# Altium PCB TCM.PcbDoc (part 3 of 10)
Units mm, origin at the board's own origin, x right, y up, seen from the top; angles counter-clockwise.
Board outline 280.25 x 366.95 mm, 6 copper layers (Top, L2, L3, L4, L5, Bot), stack 1.536 mm thick; 503 components, 762 nets, 3201 pads, 1645 vias.
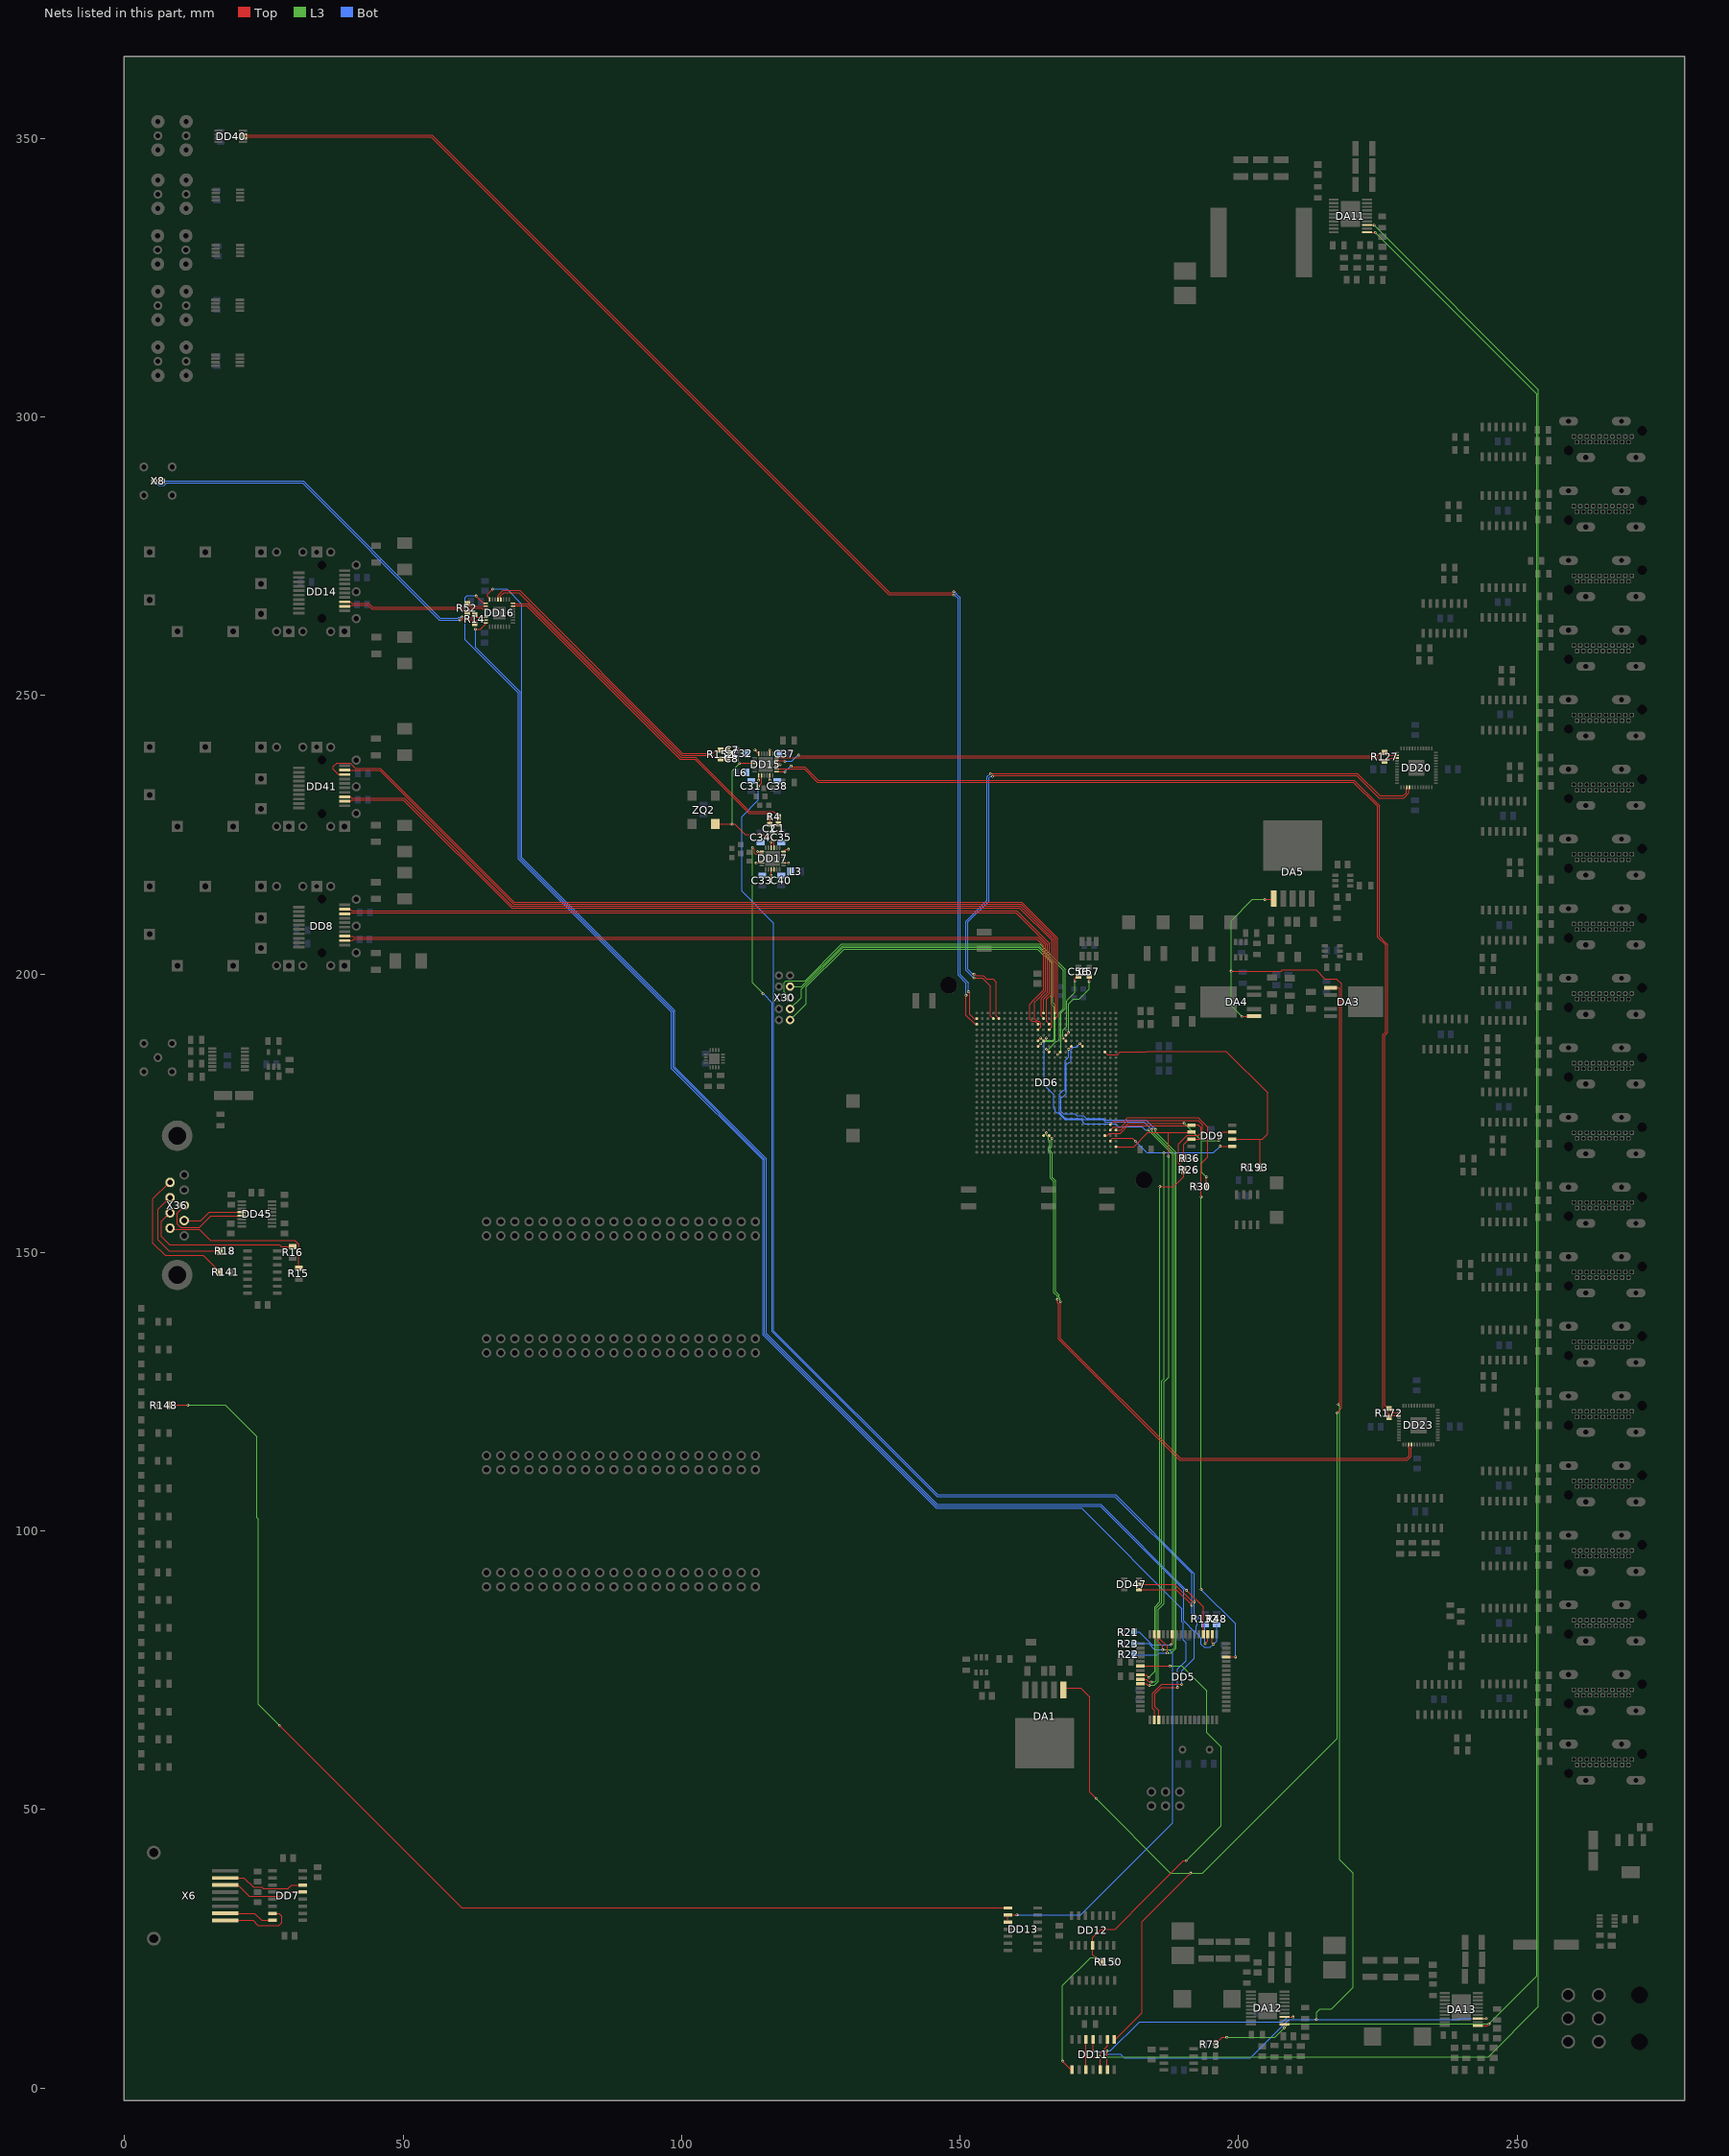
[diagram p7: the nets of this part, all layers, seen from the top]

## Part data (continued)
R140: library part R0805_11K_1%_0.125W_100PPM, "Resistor - 1%", Case=0805, Manufacturer=GENERIC, Manufacturer1 ComponentHeight=0.6mm, Manufacturer1 Example="NIC COMPONENT", Manufacturer1 Part Number=NRC10F1102TRF, Power=0.125W, Tolerance=±1%, Author="CERN DEM JLC", Component Type=Standard, CreateDate=03.12.2007, HelpURL=\\cern.ch\dfs\Applications\Altium\Datasheets\R0805_NIC_NRC.pdf, LatestRevisionDate=13.03.2008, Manufacturer Part Number=R0805_11K_1%_0.125W_100PPM, Mounted=Yes, Part Description="General Purpose Thick Film Chip Resistor", Part Number=R0805_11K_1%_0.125W_100PPM, Pin Count=2, PressFit=No, Sense=No, SMD=Yes, Socket=No, Status=Preferred, TC=±100ppm/°C
VD1 VD3 VD6 VD10 VD11 VD14 VD15 VD16 VD17: library part LED_KINGBRIGHT_KP-2012LSGC, "LED Green 1C 2A", Case=0805, Manufacturer=KINGBRIGHT, Manufacturer Part Number=KP-2012LSGC, Author="CERN DEM BC", Bonding=No, Color=Green, Component Type=Standard, ComponentHeight=1.1mm, CreateDate=09.11.2020, HelpURL=\\cern.ch\dfs\Applications\Altium\Datasheets\LED_KINGBRIGHT_KP-2012LSGC.pdf, LatestRevisionDate=09.11.2020, Mounted=Yes, PackageDescription="2.0x1.2mm Surface Mount Green LED", Part Description="2.0x1.2mm Surface Mount Green LED", Part Number=LED_KINGBRIGHT_KP-2012LSGC, Pin Count=2, PressFit=No, Sense=No, SMD=Yes, Socket=No
VD2 VD5 VD9: library part LED_KINGBRIGHT_KPT-2012YC, "LED Yellow 1C 2A", Case=0805, Manufacturer=KINGBRIGHT, Manufacturer Part Number=KPT-2012YC, Author="CERN DEM JMW", Bonding=No, Color=Yellow, Component Type=Standard, ComponentHeight=0.75mm, CreateDate=24.08.2021, HelpURL=\\cern.ch\dfs\Applications\Altium\Datasheets\LED_KINGBRIGHT_KPT-2012YC.pdf, LatestRevisionDate=24.08.2021, Mounted=Yes, PackageDescription="SMT Yellow LED, Case 2012, Body L 2.00mm X  W 1.25mm X H 0.75mm", Part Description="2.0X1.25mm, SMD Yellow Chip LED Lamp, KPT-2012 Series", Part Number=LED_KINGBRIGHT_KPT-2012YC, Pin Count=2, PressFit=No, Sense=No, SMD=Yes, Socket=No
VD4 VD7 VD8 VD13: library part LED_KINGBRIGHT_KPT-2012SURCK, "LED Red 1C 2A", Case=0805, Manufacturer=KINGBRIGHT, Manufacturer Part Number=KPT-2012SURCK, Author="CERN DEM BC", Bonding=No, Color=Red, Component Type=Standard, ComponentHeight=0.75mm, CreateDate=06.11.2020, HelpURL=\\cern.ch\dfs\Applications\Altium\Datasheets\LED_KINGBRIGHT_KPT-2012SURCK.pdf, LatestRevisionDate=06.11.2020, Mounted=Yes, PackageDescription="SMT Hyper Red LED, Case 2012, Body L 2.00mm X  W 1.25mm X H 0.75mm", Part Description="2.0X1.25mm, SMD Hyper Red Chip LED Lamp, KPT-2012 Series", Part Number=LED_KINGBRIGHT_KPT-2012SURCK, Pin Count=2, PressFit=No, Sense=No, SMD=Yes, Socket=No
VD12: library part LED_KINGBRIGHT_KPT-2012VBC-D, "LED Blue 1C 2A", Case=0805, Manufacturer=KINGBRIGHT, Manufacturer Part Number=KPT-2012VBC-D, Author="CERN DEM BC", Bonding=No, Color=Blue, Component Type=Standard, ComponentHeight=0.75mm, CreateDate=27.01.2021, HelpURL=\\cern.ch\dfs\Applications\Altium\Datasheets\LED_KINGBRIGHT_KPT-2012VBC-D.pdf, LatestRevisionDate=27.01.2021, Mounted=Yes, PackageDescription="SMT Blue LED, Case 2012, Body L 2.00mm X  W 1.25mm X H 0.75mm", Part Description="2.0X1.25mm, SMD Blue Chip LED Lamp, KPT-2012 Series", Part Number=LED_KINGBRIGHT_KPT-2012VBC-D, Pin Count=2, PressFit=No, Sense=No, SMD=Yes, Socket=No
X1 X2 X3 X4 X5: library part LEMO_EPY.00.250.NTN, "Dual Female Coax 1-2 Common Shield 3", Manufacturer=LEMO, Manufacturer Part Number=EPY.00.250.NTN, Author="CERN DEM JMW", Component Type=Standard, ComponentHeight=14.8mm, CreateDate=10.12.2008, Family="LEMO 00", HelpURL=\\cern.ch\dfs\Applications\Altium\Datasheets\LEMO_EPY.00.250.NTN.pdf, LatestRevisionDate=11.08.2009, Mounted=Yes, Part Description="Size 00, Dual 50 Ohms Coaxial Elbow Sockets (90°)", Part Number=LEMO_EPY.00.250.NTN, Pin Count=4, PressFit=No, SCEM=09.46.11.186.0, Sense=No, SMD=No, Socket=No, Status=None
X6: library part AMPHENOL_RJLSE4238101, "Connector RJ45 + Shield", Manufacturer=AMPHENOL, Manufacturer Part Number=RJLSE4238101, Author="CERN DEM HF", Component Type=Standard, ComponentHeight=11.85mm, CreateDate=07.06.2024, Family=RJ45, HelpURL=\\cern.ch\dfs\Applications\Altium\Datasheets\AMPHENOL_RJLSE4238101.pdf, LatestRevisionDate=07.06.2024, Mounted=Yes, Part Description="1 Port RJ45 Connector, 8P8C ,  Right Angle Without Leds", Part Number=AMPHENOL_RJLSE4238101, Pin Count=9, PressFit=No, Sense=No, SMD=No, Socket=No, Status=None
X7 X9 X16 X17 X18 X19 X20 X21 X22 x23 X24 X25 X26 x27 X28 X29 X31 X32 X33 X34: library part TYCO_2007435-1, "Connector HDMI 19 Male + 1 Shield", Manufacturer="TYCO ELECTRONICS", Manufacturer Part Number=2007435-1, Author="CERN DEM MR", Component Type=Standard, ComponentHeight=16.4mm, CreateDate=05.07.2016, Family=HDMI, HelpURL=\\cern.ch\dfs\Applications\Altium\Datasheets\TYCO_2007435-1.pdf, LatestRevisionDate=05.07.2016, Mounted=Yes, Part Description="0.578mm Pitch, Through-Hole Right Angle 19 Contacts Flag-HDMI Type-A Receptacle Thru Hole Mounting Pads", Part Number=TYCO_2007435-1, Pin Count=23, PressFit=No, Sense=No, SMD=No, Socket=No, Status=None
X8: library part LEMO_EPG.00.302.NLN, Manufacturer=LEMO, Manufacturer Part Number=EPG.00.302.NLN, Author="CERN DEM JLC", Component Type=Standard, ComponentHeight=7mm, CreateDate=25.08.2010, Family="LEMO 00", HelpURL=\\cern.ch\dfs\Applications\Altium\Datasheets\LEMO_EPG.00.302.NLN.pdf, LatestRevisionDate=20.12.2010, Mounted=Yes, Part Description="Size 00, Elbow Socket (90°) with 2 Female Contacts and Alignment Key (G)", Part Number=LEMO_EPG.00.302.NLN, Pin Count=3, PressFit=No, SCEM=09.31.28.007.2, Sense=No, SMD=No, Socket=No, Status=None
X10: library part CONNFLY_DS1013-06SSIB1-B-0, "Connector 6 Male", Manufacturer=CONNFLY, Manufacturer Part Number=DS1013-06SSIB1-B-0, Author="CERN DEM HF", Component Type=Standard, ComponentHeight=9.1mm, CreateDate=30.05.2024, HelpURL=\\cern.ch\dfs\Applications\Altium\Datasheets\CONNFLY_DS1013.pdf, LatestRevisionDate=30.05.2024, Mounted=Yes, Part Description="6 Contacts, 2.54mm Box Header V/T,R/A & SMT Type", Part Number=CONNFLY_DS1013-06SSIB1-B-0, Pin Count=6, PressFit=No, Sense=No, SMD=No, Socket=No, Status=None
X11 X12 X13 X14: library part CONNFLY_DS1013-40SSIB1-B-0, "Connector 40 Male", Manufacturer=CONNFLY, Manufacturer Part Number=DS1013-40SSIB1-B-0, Author="CERN DEM HF", Component Type=Standard, ComponentHeight=9.1mm, CreateDate=30.05.2024, HelpURL=\\cern.ch\dfs\Applications\Altium\Datasheets\CONNFLY_DS1013.pdf, LatestRevisionDate=30.05.2024, Mounted=Yes, Part Description="40 Contacts, 2.54mm Box Header V/T,R/A & SMT Type", Part Number=CONNFLY_DS1013-40SSIB1-B-0, Pin Count=40, PressFit=No, Sense=No, SMD=No, Socket=No, Status=None
X15: library part MOLEX_15-24-9067, "Connector 6 Male", Manufacturer=MOLEX, Manufacturer Part Number=15-24-9067, Author="CERN DEM HF", Component Type=Standard, ComponentHeight=15mm, CreateDate=06.06.2024, Family="Mini-Fit BMI", HelpURL=\\cern.ch\dfs\Applications\Altium\Datasheets\MOLEX_15-24-9067.pdf, LatestRevisionDate=06.06.2024, Mounted=Yes, Part Description="Mini-Fit BMI Header, Dual Row, Right-Angle, with Snap-in Plastic Peg PCB Lock, 6 Circuits, Gold (Au) Plating", Part Number=MOLEX_15-24-9067, Pin Count=6, PressFit=No, Sense=No, SMD=No, Socket=No, Status=None
X30: library part CONNFLY_DS1014-10SF1B-B, "Connector 10 Male", Manufacturer=CONNFLY, Manufacturer Part Number=DS1014-10SF1B-B, Author="CERN DEM HF", Component Type=Standard, ComponentHeight=5.6mm, CreateDate=29.05.2024, HelpURL=\\cern.ch\dfs\Applications\Altium\Datasheets\CONNFLY_DS1014-10SF1B-B.pdf, LatestRevisionDate=29.05.2024, Mounted=Yes, Part Description="10 Contacts, 2.00mm Box Header V/T,R/A & SMT Type", Part Number=CONNFLY_DS1014-10SF1B-B, Pin Count=10, PressFit=No, Sense=No, SMD=No, Socket=No, Status=None
X35: library part LEMO_EPL.00.250.NTN, Manufacturer=LEMO, Manufacturer Part Number=EPL.00.250.NTN, Author="CERN DEM JLC", Component Type=Standard, ComponentHeight=7mm, CreateDate=03.12.2007, Family="LEMO 00", HelpURL=\\cern.ch\dfs\Applications\Altium\Datasheets\LEMO_EPL.00.250.NTN.pdf, LatestRevisionDate=11.02.2016, Mounted=Yes, Part Description="Size 00, 50 Ohms Coaxial Elbow (90°) socket", Part Number=LEMO_EPL.00.250.NTN, Pin Count=2, PressFit=No, Sense=No, SMD=No, Socket=No, Status=Obsolete
X36: library part "HARTING_09 66 152 6612", "Connector D-sub 9 Female", Manufacturer=HARTING, Manufacturer Part Number="09 66 152 6612", Author="CERN DEM JLC", Component Type=Standard, ComponentHeight=13.6mm, CreateDate=16.12.2010, Family="D-Sub 9F", HelpURL="\\cern.ch\dfs\Applications\Altium\Datasheets\HARTING_09 66 152 6612.pdf", LatestRevisionDate=08.04.2013, Mounted=Yes, Part Description="Right Angled D-Sub 9 Female Contacts with Grounding Board Locks And UNC 4-40 Flange Thread", Part Number="HARTING_09 66 152 6612", Pin Count=11, PressFit=No, Sense=No, SMD=No, Socket=No, Status=None
ZQ1: library part XTAL_16MHZ_ABRACON_ABL-16.000MHZ-B1U, "Quartz Crystal", Manufacturer=ABRACON, Manufacturer Part Number=ABL-16.000MHZ-B1U, Author="CERN DEM HF", Bonding=No, Component Type=Standard, ComponentHeight=3.5mm, CreateDate=04.06.2024, HelpURL=\\cern.ch\dfs\Applications\Altium\Datasheets\XTAL_ABRACON_ABL.pdf, LatestRevisionDate=04.06.2024, Mounted=Yes, PackageDescription="THD Crystal, Body 11.5mm L X 5.00mm W X 3.50mm H, ALB Series", Part Description="Tolerance: ±10ppm, Stability: ±10ppm, -20°C to +70°C, 18pF, 40 Ohms ESR, Through Mount Microprocessor Crystal, ABL Series", Part Number=XTAL_16MHZ_ABRACON_ABL-16.000MHZ-B1U, Pin Count=2, PressFit=No, Sense=No, SMD=No, Socket=No
ZQ2: library part OSC_40MHZ_IQD_LFSPXO018042, "Oscillator 4 pins 1=E 2=GND 3=OUT 4=+Vs", Manufacturer="IQD FREQUENCY PRODUCTS", Manufacturer Part Number=LFSPXO018042, Author="CERN DEM JLC", Bonding=No, Component Type=Standard, ComponentHeight=1.4mm, CreateDate=22.08.2011, HelpURL=\\cern.ch\dfs\Applications\Altium\Datasheets\OSC_IQD_LFSPXO018042.pdf, LatestRevisionDate=03.11.2016, Mounted=Yes, PackageDescription="Oscillator, Side Concave, 5.08mm Pitch, 4 Pins, 5.00mm L X 7.00mm W X 1.40mm H, CFPS-73 Series", Part Description="3.3V, ±50ppm, 50pF, 0..70°C, HCMOS Surface Mount Clock Oscillator (CFPS-73 Series)", Part Number=OSC_40MHZ_IQD_LFSPXO018042, Pin Count=4, PressFit=No, Sense=No, SMD=Yes, Socket=No
ZQ3: library part OSC_125MHZ_EPSON_X1G0042610020, "Low-Jitter Saw Oscillator (EG-2102 Serie)", Manufacturer=EPSON, Manufacturer Part Number=X1G0042610020, Author="CERN DEM HF", Bonding=No, Component Type=Standard, ComponentHeight=1.2mm, CreateDate=11.06.2024, HelpURL=\\cern.ch\dfs\Applications\Altium\Datasheets\OSC_EPSON_X1G004261.pdf, LatestRevisionDate=11.06.2024, Mounted=Yes, PackageDescription="SMD Oscillator, Side Concave; 1.27mm Pitch; 6 Pins, 3.2mm L X 5.0mm W X 1.20mm H", Part Description="3.3V, ±30ppm, -40°C to +85°C, LVDS XO Oscillator, SG5032VAN Series", Part Number=OSC_125MHZ_EPSON_X1G0042610020, Pin Count=6, PressFit=No, Sense=No, SMD=Yes, Socket=No

## Free pads (board coordinates)
  round 3 hole 3 unplated: 2(148,198) 2(183,163)

## Via types
v1: diameter 0.48, hole 0.25, Top to Bot, tented both sides, 1515 vias
v2: diameter 1, hole 0.6, Top to Bot, tented both sides, 117 vias
v3: diameter 0.8, hole 0.4, Top to Bot, tented both sides, 8 vias
v4: diameter 5, hole 2.7, Top to Bot, tented both sides, 4 vias
v5: diameter 0.48/0/0/0/0/0.48 (per signal layer), hole 0.25, Top to Bot, tented both sides, 1 vias

## Nets (pads, with @x,y where several pads share a name; then routed paths per layer and width w, separated by ;. In a path a pad name is that pad's centre, name@x,y a point inside that pad or via, vN(x,y) a via of type N, cw(c..) or ccw(c..) an arc to the next point about the centre after c; other vN are vias at no path point)
ATT_A: R15.2 X36.6 | length 28.7
  Top w0.15: X36.6@8.08,154.315 8.195,154.2 13.4,154.2 15.4,152.2 30.6,152.2 31.3,151.5 R15.2@31.3,147.2
ATT_B: R16.2 X36.7 | length 29.2
  Top w0.15: X36.7@8.08,157.115 6.6,155.635 6.6,152.9 8.1,151.4 16.79,151.4 16.8,151.41 27.83,151.41 28.2,151.04 R16.2@30.2,151.04
ATT_C: R18.2 X36.8 | length 20.3
  Top w0.15: X36.8@8.08,159.855 6,157.775 6,152.3 7.99,150.31 R18.2@17.1,150.31
ATT_D: R141.2 X36.9 | length 26.3
  Top w0.15: X36.9@8.08,162.615 5.1,159.635 5.1,151.7 7.3,149.5 14.13,149.5 R141.2@17.13,146.5
ATT_Rx: DD45.13 X36.3 | length 16.9
  Top w0.15: X36.3@10.92,158.47 9.5,157.05 9.5,155.1 10.1,154.5 13.4,154.5 15.5,156.6 DD45.13@21.3,156.6
ATT_Tx: DD45.12 X36.2 | length 11
  Top w0.15: X36.2@10.92,155.73 13.73,155.73 15.235,157.235 DD45.12@21.3,157.235
BUCK_SYNC: DA11.1 DA12.1 DA13.1 R73.2 | length 392.1
  Top w0.15: R73.2@195.9,7.9 197.1,9.1 v1(197.9,9.1)
  Top w0.2: v1(208.213,10.794) DA12.1@208.213,11.464 ; DA11.1@223.059,333.183 224.469,333.183 v1(224.519,333.133) ; DA13.1@242.974,11.177 244.624,11.177 v1(244.974,11.527)
  L3 w0.15: v1(208.213,10.794) 208.919,11.5 244.946,11.5 v1(244.974,11.527) 253.561,20.115 253.561,304.091 v1(224.519,333.133)
  L3 w0.2: v1(197.9,9.1) 206.519,9.1 v1(208.213,10.794)
C_N: DD6.AF2 DD40.3 | length 240.6
  Top w0.1: 151.715,195.5 151.715,192.787 152.502,192 DD6.AF2@153,192
  Top w0.2: DD40.3@21.081,350.611 55.207,350.611 137.331,268.486 148.604,268.486 148.809,268.692 v1(148.872,268.692) ; v1(151.515,196.826) 151.715,196.626 151.715,195.5
  Bot w0.2: v1(148.872,268.692) 148.905,268.692 149.045,268.552 149.075,268.552 149.362,268.265 149.362,268.235 150,267.597 150,199.938 151.515,198.423 v1(151.515,196.826)
C_P: DD6.AF3 DD40.2 | length 241
  Top w0.1: 151.093,195.5 151.093,192.616 152.709,191 DD6.AF3@153,191
  Top w0.2: DD40.2@21.12,349.999 21.278,350.157 22.002,350.157 22.106,350.261 55.062,350.261 137.186,268.136 v1@148.872,268.136 ; 151.093,195.5 v1(151.093,196.197)
  Bot w0.2: v1(148.872,268.062) 149.04,268.062 149.65,267.452 149.65,199.793 151.093,198.35 151.093,197.097 151.025,197.029 151.025,196.265 v1(151.093,196.197)
CFG_CCLK: DD6.C8 DD9.6 R193.2 | length 52.7
  Top w0.1: DD6.C8@176,186 176.475,185.525 178.242,185.525 178.717,186 180.5,186
  Top w0.15: 180.5,186 183.417,186 183.561,186.144 197.777,186.144 205.248,178.673 205.248,171.309 204.299,170.36 203.897,170.36 DD9.6@198.2,170.36 ; R193.2@203.897,165.3 203.897,170.357
CFG_DIN_DQ1: DD5.42 DD6.A25 DD9.2 | length 117.8
  Top w0.1: DD6.A25@178,169 180.5,169
  Top w0.15: 180.5,169 181.224,169 183.752,171.528 187.4,171.528 ; DD5.42@182.586,72.582 183.418,72.582 183.7,72.3 v1(184,72.3) ; v1(187.4,167.3) 187.4,171.528 ; DD9.2@192,171.63 191.898,171.528 187.4,171.528
  L3 w0.15: v1(184,72.3) 184.9,72.3 185.6,73 185.6,85.976 186.6,86.976 186.6,126.8 187.465,127.665 187.465,167.235 v1(187.4,167.3)
CFG_DQ2: DD6.B22 DD9.3 R36.1 | length 26
  Top w0.1: DD6.B22@177,172 177.5,172.5 178.903,172.5 180.099,173.696 180.5,173.696
  Top w0.15: 180.5,173.696 192.772,173.696 193.566,172.902 193.566,170.976 192.95,170.36 192,170.36 191.133,170.36 190.169,169.395 R36.1@190.169,166.955
CFG_DQ3: DD6.A22 DD9.7 R30.1 | length 31.9
  Top w0.1: DD6.A22@178,172 178.918,172 180.149,173.231 180.5,173.231
  Top w0.15: 180.5,173.231 v1(190.229,173.231) ; R30.1@194.2,161.822 194.228,161.85 v1(194.228,163.6) ; v1(196.475,170.088) 196.475,170.954 197.151,171.63 DD9.7@198.2,171.63
  L3 w0.15: v1(190.229,173.231) 193.372,170.088 ; v1(194.228,163.6) 194.228,163.525 193.372,164.38 193.372,170.088 ; v1(196.475,170.088) 193.372,170.088
CFG_FCS: DD5.40 DD6.C23 DD9.1 R26.1 | length 125.7
  Top w0.1: DD6.C23@176,171 176.413,171 176.828,171.415 178.774,171.415 180.125,172.766 180.5,172.766
  Top w0.15: 180.5,172.766 191.866,172.766 192,172.9 192.757,172.9 193.266,172.391 193.266,171.432 192.863,171.029 190.809,171.029 189.26,169.48 189.26,166.071 190.145,165.186 190.145,164.843 190.145,163.655 188.356,161.865 v1(185.9,161.865) ; DD5.40@182.586,74.182 183.418,74.182 v1(183.9,73.7)
  L3 w0.15: v1(183.9,73.7) 185,74.8 185,86.4 185.9,87.3 185.9,116.424 v1(185.9,161.865)
CFG_MOSI_DQ0: DD5.41 DD6.B24 DD9.5 | length 121.3
  Top w0.1: DD6.B24@177,170 177,170.139 177.353,170.492 180.5,170.492
  Top w0.15: 180.5,170.492 180.974,170.492 v1(181.461,170.004) ; DD5.41@182.586,73.382 183.418,73.382 183.9,72.9 v1(184.335,72.9) ; v1(196.715,169.09) DD9.5@198.2,169.09
  L3 w0.15: v1(184.335,72.9) 185,72.9 185.3,73.2 185.3,86.2 186.246,87.146 186.246,126.946 186.6,127.3 186.6,167.442 v1(186.6,167.9)
  Bot w0.15: v1(181.461,170.004) 183.531,167.935 v1@186.5,167.935 ; v1@186.535,167.9 v1(186.6,167.9) 195.525,167.9 v1(196.715,169.09)
CLK_40MHz: DD15.3 DD17.3 ZQ2.3 | length 27.3
  Top w0.15: ZQ2.3@106.1,226.92 108.7,226.92 ; 108.704,226.924 108.7,226.92 ; v1(110.4,237.793) 110.457,237.85 DD15.3@113.157,237.85 ; DD17.3@116.607,222.677 116.607,223.993 116,224.6 115.2,224.6 114.75,225.05 111.45,225.05 109.58,226.92 108.7,226.92
  L3 w0.15: v1(109.1,226.9) 109.1,236.493 v1(110.4,237.793)
CLKA_IN_N: DD15.17 DD20.2 R127.1 | length 112.5
  Top w0.2: DD15.17@117.057,238.35 118.4,238.35 v1(118.55,238.2) ; v1(121,239.3) 121.146,239.154 225.005,239.154 225.505,239.654 226.255,239.654 226.655,239.254 DD20.2@228.453,239.254
  Bot w0.2: v1(118.55,238.2) 119.8,238.2 121,239.4 v1(121,239.3)
CLKA_IN_P: DD15.18 DD20.3 R127.2 | length 111.8
  Top w0.2: DD15.18@117.057,238.85 117.103,238.804 119.151,238.804 225.005,238.804 225.505,238.304 226.255,238.304 226.705,238.754 DD20.3@228.453,238.754
CLKA_N: DD6.AC2 DD20.15 | length 126.3
  Top w0.1: 155.484,195.5 155.484,192.515 DD6.AC2@156,192
  Top w0.2: v1(152.494,199.336) 154,199.336 155.484,197.852 155.484,195.5 ; v1(155.446,236) 221.34,236 225.358,231.982 229.54,231.982 230.103,232.545 230.103,233.404 DD20.15@230.203,233.504
  Bot w0.2: v1(152.494,199.336) 152.431,199.336 151.103,200.665 151.103,209.482 154.879,213.258 154.879,235.432 v1(155.446,236)
CLKA_P: DD6.AB2 DD20.16 | length 127.3
  Top w0.1: 156.5,195.5 156.5,192.5 DD6.AB2@157,192
  Top w0.2: v1(152.494,199.966) 152.557,199.966 152.837,199.686 154.2,199.686 154.807,199.08 155.96,199.08 156.5,198.54 156.5,195.5 ; v1(155.85,235.503) 155.997,235.65 221.195,235.65 222.494,234.351 225.213,231.632 229.685,231.632 230.603,232.55 230.603,233.404 DD20.16@230.703,233.504
  Bot w0.2: v1(152.494,199.966) 152.296,199.966 151.453,200.81 151.453,209.337 155.229,213.113 155.229,235.287 155.451,235.51 155.843,235.51 v1(155.85,235.503)
CLKC_IN_N: DD15.13 DD23.2 R172.1 | length 223.1
  Top w0.2: DD15.13@117.057,236.35 118.5,236.35 v1(118.55,236.3) ; v1(119.649,237.35) 119.799,237.2 122.145,237.2 124.545,234.8 220.745,234.8 225.3,230.245 225.3,206.795 226.3,205.795 226.75,205.345 226.75,189.45 226.3,189 226.3,122.593 227.031,121.862 227.64,121.253 DD23.2@228.805,121.253
  Bot w0.2: v1(118.55,236.3) 119.6,237.35 v1(119.649,237.35)
CLKC_IN_P: DD15.14 DD23.3 R172.2 | length 223.6
  Top w0.2: DD15.14@117.057,236.85 122,236.85 124.4,234.45 220.6,234.45 224.95,230.1 224.95,206.65 226.4,205.2 226.4,189.595 225.95,189.145 225.95,121.784 226.497,121.237 226.781,121.237 227.031,120.987 227.031,120.512 227.271,120.753 DD23.3@228.805,120.753
CLKC_N: DD6.N23 DD23.15 | length 111.3
  Top w0.1: DD6.N23@166,171 v1(166.5,170.5)
  Top w0.2: v1(168.05,141.174) 168.05,134.55 189.541,113.059 230.147,113.059 230.63,113.542 230.63,114.928 230.555,115.003 DD23.15@230.555,115.503
  L3 w0.1: v1(166.5,170.5) 166.5,169.059 166.105,168.664 166.105,168.336 166.572,167.869 166.572,165.5
  L3 w0.17: 166.572,165.5 166.572,163.48 167.19,162.862 167.19,142.954 167.82,142.324 167.82,141.952 167.975,141.797 167.975,141.249 v1(168.05,141.174)
CLKC_P: DD6.P23 DD23.16 | length 113.6
  Top w0.1: DD6.P23@165,171 v1(165.5,171.5)
  Top w0.2: v1(167.5,141.6) 167.56,141.54 167.56,140.971 167.7,140.831 167.7,134.405 189.396,112.709 230.292,112.709 230.98,113.397 230.98,114.928 231.055,115.003 DD23.16@231.055,115.503
  L3 w0.1: v1(165.5,171.5) 165.5,171.058 165.895,170.663 165.895,170.264 166.105,170.053 166.105,168.946 165.905,168.746 165.905,168.253 166.252,167.906 166.252,165.5
  L3 w0.17: 166.252,165.5 166.252,163.347 166.87,162.729 166.87,142.821 167.5,142.192 v1(167.5,141.6)
Console_CTS: DD7.8 X6.7 | length 9.4
  Top w0.15: X6.7@17.7,31.37 23.379,31.37 24.643,30.106 DD7.8@26.526,30.106
Console_RTS: DD7.7 X6.8 | length 14.3
  Top w0.15: X6.8@17.7,30.1 23.038,30.1 23.976,29.162 27.729,29.162 28.249,29.683 28.249,30.86 27.733,31.376 DD7.7@26.526,31.376
Console_Rx: DD7.13 X6.3 | length 15.5
  Top w0.15: X6.3@17.7,36.45 20.402,36.45 22.391,34.461 28.32,34.461 29.045,35.186 DD7.13@32.026,35.186
Console_Tx: DD7.14 X6.2 | length 15.4
  Top w0.15: X6.2@17.7,37.72 21.476,37.72 23.137,36.059 24.69,36.059 24.923,35.826 29.336,35.826 29.967,36.456 DD7.14@32.026,36.456
DD15_VDD: C31.2 C32.2 C37.2 C38.2 DD15.7 DD15.11 DD15.15 DD15.16 DD15.20 DD15.24 L6.2 | length 4.5
  Top w0.15: v1(113.207,240.2) DD15.24@113.857,239.55 ; v1(113.857,234.8) DD15.7@113.857,235.65 ; v1(115.857,234.8) DD15.11@115.857,235.65 ; DD15.20@115.857,239.55 v1(115.857,240.2) ; DD15.15@117.057,237.35 DD15.16@117.057,237.85 117.457,237.85 v1(117.707,237.6)
DD17_VDD: C33.2 C34.2 C35.2 C40.2 DD17.4 DD17.7 DD17.11 DD17.15 DD17.16 DD17.20 DD17.24 L3.2 | length 6.4
  Top w0.15: v1(113.4,219.977) DD17.11@114.407,219.977 ; v1(113.623,221.977) DD17.7@114.407,221.977 ; v1(116.107,217.7) DD17.15@116.107,218.777 DD17.16@116.607,218.777 ; DD17.4@116.107,222.677 v1(116.107,223.7) ; DD17.20@118.307,219.977 v1(119.2,219.977) ; DD17.24@118.307,221.977 118.73,222.4 v1(119.2,222.4)
EN_P1V0: DA11.3 DD11.3 DD11.5 DD11.9 DD11.12 | length 429.7
  Top w0.15: DD11.3@172.625,3.299 DD11.12@172.625,8.799 ; 172.676,5.622 v1(175.165,5.622) ; DD11.5@175.165,3.299 v1(175.165,5.622) ; DD11.9@176.435,8.799 176.435,7.539 175.165,6.269 v1(175.165,5.622) ; DA11.3@223.059,334.483 224.279,334.483 v1(224.332,334.43)
  L3 w0.15: v1(175.165,5.622) 244.822,5.622 253.861,14.661 253.861,304.9 v1(224.332,334.43)
EN_P1V0LDO_P3V3: DA3.1 DA13.3 DD11.11 | length 269.9
  Top w0.15: v1(173.878,6.575) 173.895,6.592 DD11.11@173.895,8.799 ; DA3.1@216.45,197.54 217.96,197.54 218.2,197.3 218.2,122.824 218.1,122.724 218.1,122.707 v1(217.9,122.707) ; DA13.3@242.974,12.477 v1(244.474,12.477)
  L3 w0.15: v1(214,12.3) 214,13.6 214.6,14.2 216.7,14.2 220.6,18.1 220.6,38.565 218.165,41 218.165,122.442 v1(217.9,122.707)
  Bot w0.15: v1(173.878,6.575) 175.412,6.575 175.9,6.087 178.839,6.087 179.526,5.4 202.161,5.4 209.064,12.302 239.485,12.302 239.66,12.477 v1(244.474,12.477)
EN_P1V8: DA12.3 DD11.6 | length 40.9
  Top w0.15: v1(176.399,6.675) 176.399,3.336 DD11.6@176.435,3.299 ; DA12.3@208.213,12.764 209.797,12.764 v1(209.8,12.767)
  Bot w0.15: v1(176.399,6.675) 176.993,6.675 182.227,11.909 207.931,11.909 208.79,12.767 v1(209.8,12.767)
EN_P2V5_P1V8LDO_P1V2LDO: DA1.1 DA4.1 DA5.1 DD11.8 | length 304.6
  Top w0.15: DA1.1@168.559,71.845 171.637,71.845 173.3,70.182 173.3,53.1 v1(174.4,52) ; DD11.8@177.705,8.799 177.946,8.799 182.7,13.553 182.7,29.9 v1(191.4,38.6) ; v1(198.659,200.535) 207.635,200.535 207.825,200.725 213.941,200.725 215.531,199.135 217.587,199.135 218.5,198.222 218.5,122.1 217.7,121.3 v1(217.7,121.237) ; v1(200.6,192.4) 202.69,192.4 DA4.1@202.75,192.46 ; v1(204.74,213.4) 204.751,213.411 DA5.1@206.285,213.411
  L3 w0.15: v1(174.4,52) 187.8,38.6 v1(191.4,38.6) 193.5,38.6 217.7,62.8 v1(217.7,121.237) ; v1(200.6,192.4) 198.659,194.341 v1(198.659,200.535) 198.659,209.559 202.5,213.4 v1(204.74,213.4)
EN_PSU: DD5.38 DD11.1 DD12.4 R150.2 | length 99.5
  Top w0.15: v1(168.4,4.85) 169.95,3.299 DD11.1@170.085,3.299 ; R150.2@175.625,22.698 175.038,22.698 v1(174.318,23.418) 173.811,23.925 173.811,25.585 173.811,27.011 175.326,28.526 177.826,28.526 183.8,34.5 183.824,34.5 190.124,40.8 v1(190.6,40.8) ; DD5.38@182.586,75.782 v1(187.7,75.782)
  L3 w0.15: v1(168.4,4.85) 168.4,18.38 173.438,23.418 v1(174.318,23.418) ; v1(187.7,75.782) 189.782,75.782 189.8,75.8 194.3,71.3 194.3,63.8 196.9,61.2 196.9,47.1 v1(190.6,40.8)
ETH_RX_N: DD6.N3 DD41.12 | length 153.1
  Top w0.1: 165.55,195.5 165.5,195.45 165.5,191.5 DD6.N3@166,191
  Top w0.2: DD41.12@39.5,231.02 40.6,231.02 40.825,231.245 50.079,231.245 69.471,211.852 160.655,211.852 166.445,206.063 166.445,196.394 165.55,195.5
ETH_RX_P: DD6.N4 DD41.13 | length 154.4
  Top w0.1: DD6.N4@166,190 166.5,190.5 166.5,195.5
  Top w0.2: DD41.13@39.5,231.82 40.6,231.82 40.825,231.595 50.224,231.595 69.616,212.202 160.8,212.202 166.795,206.208 166.795,196.136 166.5,195.842 166.5,195.5
ETH_TX_N: DD6.M1 DD41.19 | length 153.6
  Top w0.1: DD6.M1@167,193 167.145,193.145 167.145,195.5
  Top w0.2: DD41.19@39.5,236.62 45.78,236.62 69.815,212.585 160.948,212.585 167.145,206.389 167.145,195.5
ETH_TX_P: DD6.M2 DD41.18 | length 161
  Top w0.1: DD6.M2@167,192 167.499,192.499 167.499,195.5
  Top w0.2: DD41.18@39.5,235.82 38.441,235.82 37.47,236.79 37.47,237.267 38.123,237.92 40.603,237.92 40.75,237.773 40.75,237.616 41.396,236.97 45.293,236.97 ; 45.3,236.97 45.925,236.97 69.959,212.935 161.093,212.935 167.3,206.728 167.495,206.534 167.495,195.504 167.499,195.5
ETHCLK_N: C57.2 DD6.K5 | length 13.1
  Top w0.1: DD6.K5@169,189 v1(169.5,189.5)
  Top w0.15: v1(173.17,198.666) C57.2@173.17,199.75
  L3 w0.1: v1(169.5,189.5) 169.5,194.663 170.337,195.5
  L3 w0.15: 170.337,195.5 171.4,195.5 173.17,197.27 v1(173.17,198.666)
ETHCLK_P: C56.2 DD6.K6 | length 13.1
  Top w0.1: v1(168.5,188.5) DD6.K6@169,188
  Top w0.15: v1(170.63,198.7) 170.63,199.172 C56.2@171.237,199.779
  L3 w0.1: v1(168.5,188.5) 168.5,189.941 169.117,190.558 169.117,195.172 169.445,195.5
  L3 w0.15: 169.445,195.5 170.63,196.685 v1(170.63,198.7)
EXT_CLK0_INTR: DD5.19 DD15.8 DD47.2 R132.1 | length 223.7
  Top w0.15: v1(113.807,233.7) 114.357,234.25 DD15.8@114.357,235.65 ; DD47.2@181.9,90.45 188.576,90.45 191.726,87.3 v1(192.068,87.3) ; v1(194,79.8) 194.486,80.286 DD5.19@194.486,81.282
  Bot w0.15: v1@113.907,233.7 v1(113.807,233.7) 113.807,231.207 110.852,228.252 110.852,214.855 116.564,209.143 116.564,135.936 146,106.5 177.9,106.5 192.065,92.335 192.065,85.135 194,83.2 v1(194,79.8)
EXT_CLK0_N: C8.1 DD16.4 R152.1 | length 54.4
  Top w0.2: DD16.4@67.55,267.09 67.55,267.54 67.475,267.615 67.475,267.842 68.133,268.5 70.8,268.5 100.059,239.241 105.666,239.241 106.166,238.741 107.015,238.741 108.27,238.741 C8.1@108.402,238.609
EXT_CLK0_P: C7.1 DD16.5 R152.2 | length 54.9
  Top w0.2: DD16.5@67.05,267.09 67.05,267.54 67.125,267.615 67.125,267.987 67.988,268.85 70.945,268.85 100.204,239.591 105.581,239.591 106.081,240.091 107.015,240.091 107.124,240.2 C7.1@108.406,240.2
EXT_CLK0_STATUS: DD5.51 DD16.9 | length 279
  Top w0.15: v1(63.119,267.89) 64.46,266.55 DD16.9@65.01,266.55 ; DD5.51@185.686,66.282 185.686,67.752 185,68.438 185,70.8 186.128,71.928 v1(189.064,71.928)
  Bot w0.15: v1(63.119,267.89) 63.11,267.9 61.512,267.9 61.167,267.555 61.167,260.056 70.748,250.475 70.748,220.621 98.2,193.169 98.2,183.027 114.613,166.614 114.613,135.24 145.755,104.098 171.808,104.098 189.863,86.043 189.863,83.726 190.072,83.517 190.072,80.444 190.572,79.944 190.572,76.751 189.046,75.226 189.046,71.946 v1(189.064,71.928)
EXT_CLK1_INTR: DD5.18 DD17.8 DD47.1 R48.1 | length 216.8
  Top w0.15: v1(112.725,222.725) 113.1,222.35 113.1,221.7 113.323,221.477 DD17.8@114.407,221.477 ; DD47.1@181.9,89.5 188.8,89.5 v1(191.6,86.7) ; DD5.18@195.286,81.282 195.286,79.914 v1(195.5,79.7)
  L3 w0.15: v1(112.725,222.725) 112.7,222.7 112.7,198.4 v1(114.6,196.5)
  Bot w0.15: v1@114.601,196.501 116.264,194.839 116.264,135.812 145.876,106.2 177.776,106.2 191.6,92.376 v1(191.6,86.7) 191.6,85.156 192.551,84.205 192.551,83.107 192.414,82.97 192.414,81.686 193.3,80.8 193.3,79.7 193.9,79.1 194.9,79.1 v1(195.5,79.7) 196.1,80.3 R48.1@196.1,83.2
EXT_CLK1_N: C2.1 DD16.31 R4.1 | length 63.5
  Top w0.2: DD16.31@69.59,266.05 70.04,266.05 70.115,266.125 72.185,266.125 99.769,238.541 102.364,238.541 112.105,228.8 115.3,228.8 115.9,228.2 115.9,226.85 C2.1@115.8,226.75
EXT_CLK1_P: C1.1 DD16.32 R4.2 | length 65
  Top w0.2: DD16.32@69.59,266.55 70.04,266.55 70.115,266.475 72.33,266.475 99.914,238.891 102.509,238.891 112.25,229.15 116.564,229.15 117.25,228.464 117.25,226.944 C1.1@117.254,226.94
EXT_CLK1_STATUS: DD5.50 DD16.16 | length 274.1
  Top w0.15: v1(63.013,261.927) 63.887,261.927 DD16.16@65.01,263.05 ; DD5.50@184.886,66.282 184.886,67.838 184.6,68.124 184.6,70.9 186.172,72.472 v1(189.801,72.472)
  Bot w0.15: v1(63.013,261.927) 63.006,261.92 63.006,258.654 71.048,250.612 71.048,220.745 98.5,193.293 98.5,183.151 114.913,166.738 114.913,135.364 145.85,104.427 175.175,104.427 190.163,89.439 190.163,83.85 192.088,81.925 192.088,77.202 189.801,74.915 v1(189.801,72.472)
EXT_CLK_IN_0_N: DD14.12 DD16.11 R52.1 | length 26.4
  Top w0.2: DD14.12@39.5,266.02 40.6,266.02 40.825,266.245 43.7,266.245 44.395,265.55 61,265.55 61.5,265.05 62.163,265.713 64.114,265.713 64.277,265.55 DD16.11@65.01,265.55
EXT_CLK_IN_0_P: DD14.13 DD16.10 R52.2 | length 26.3
  Top w0.2: DD14.13@39.5,266.82 40.6,266.82 40.825,266.595 43.845,266.595 44.54,265.9 61,265.9 61.5,266.4 61.85,266.05 62.005,266.05 62.018,266.063 64.997,266.063 DD16.10@65.01,266.05
EXT_CLK_IN_1_N: DD16.15 R14.1 X8.2 | length 70.7
  Top w0.2: v1(60.2,263.6) 62.327,263.6 62.865,263.062 63.354,263.55 DD16.15@65.01,263.55
  Bot w0.2: X8.2@5.37,288.5 6.12,287.75 7.162,287.75 7.44,288.028 7.44,288.033 7.557,288.15 31.955,288.15 56.52,263.585 60.185,263.585 v1(60.2,263.6)
EXT_CLK_IN_1_P: DD16.14 R14.2 X8.1 | length 69.1
  Top w0.2: v1(60.6,264.099) 60.749,263.95 62.404,263.95 62.865,264.412 63.227,264.05 DD16.14@65.01,264.05
  Bot w0.2: X8.1@6.64,288.5 32.1,288.5 56.665,263.935 59.842,263.935 59.997,264.09 60.403,264.09 60.497,263.996 v1(60.6,264.099)
EXT_CLK_SEL: DD5.20 DD16.8 | length 261.8
  Top w0.15: DD16.8@65.55,267.09 65.55,267.405 65.212,267.744 65.212,268.198 v1(66.118,269.105) ; v1@190.686,89.34 193.686,86.34 DD5.20@193.686,81.282
  Bot w0.15: v1(66.118,269.105) 68.612,269.105 71.348,266.369 71.348,220.873 98.8,193.421 98.8,183.276 115.213,166.862 115.213,135.488 145.922,104.779 175.247,104.779 v1(190.686,89.34)
FPGA_DONE: DD5.31 DD6.J7 DD13.9 DD13.10 R23.1 | length 206.7
  Top w0.1: v1@169.5,186.5 DD6.J7@170,187
  Top w0.15: DD13.10@158.526,29.796 158.526,31.066 v1(160.234,31.066) ; DD5.31@184.886,81.282 185.09,81.078 185.09,80.61 186.4,79.3 v1(186.4,78.7)
  L3 w0.15: v1(184.448,172.1) 184.448,171.771 188.498,167.721 188.498,79.058 188.14,78.7 v1(186.4,78.7)
  Bot w0.1: v1(169.5,186.5) 169.5,185.059 168.905,184.463 168.905,179.463 168.895,179.454 168.895,179.336 168.664,179.105 168.546,179.105 167.905,178.464 167.905,175.1 168.91,174.095 171.783,174.095 171.983,173.895 175.663,173.895 176.068,173.491 180.5,173.491
  Bot w0.15: v1(160.234,31.066) 171.666,31.066 188.2,47.6 188.2,78 187.5,78.7 v1(186.4,78.7) 184.934,78.7 183.844,79.789 R23.1@181.203,79.789 ; 180.5,173.491 183.009,173.491 184.4,172.1 v1(184.448,172.1)
FPGA_INIT_B: DD5.30 DD6.G7 R22.1 | length 139.7
  Top w0.1: v1@171.5,187.5 DD6.G7@172,187
  Top w0.15: DD5.30@185.686,81.282 185.89,81.078 185.89,80.61 187.2,79.3 v1(187.2,78.1)
  L3 w0.15: v1(185.1,172.106) 185.1,171.658 188.798,167.96 188.798,78.933 187.965,78.1 v1(187.2,78.1)
  Bot w0.1: v1(171.5,187.5) 170.92,186.92 170.361,186.92 169.895,186.454 169.895,184.337 169.664,184.105 169.546,184.105 169.105,183.664 169.105,179.664 169.105,178.546 168.454,177.895 168.336,177.895 168.105,177.664 168.105,175.336 168.536,174.905 170.654,174.905 170.991,174.568 172.195,174.568 172.668,174.095 175.746,174.095 176.013,173.828 180.5,173.828
  Bot w0.15: 180.5,173.828 183.377,173.828 v1(185.1,172.106) ; R22.1@181.203,77.831 181.254,77.78 183.59,77.78 183.638,77.732 185.432,77.732 185.8,78.1 v1(187.2,78.1)
FPGA_PROGRAM_B: DD5.27 DD6.P6 R21.1 | length 136.7
  Top w0.1: DD6.P6@165,188 v1(165.5,188.5)
  Top w0.15: v1(187.9,79.6) 188.086,79.786 DD5.27@188.086,81.282
  L3 w0.15: v1(183.802,171.993) 188.165,167.63 188.165,79.865 v1(187.9,79.6)
  Bot w0.1: v1(165.5,188.5) 165.5,188.058 165.105,187.663 165.105,180.105 166.84,178.37 166.84,175.855 167.105,175.59 167.105,175.337 167.336,175.105 167.59,175.105 168.8,173.895 171.7,173.895 172.105,173.491 172.105,173.336 172.336,173.105 177.905,173.105 178.405,172.605 180.5,172.605
  Bot w0.15: 180.5,172.605 182.696,172.605 183.308,171.993 v1(183.802,171.993) ; R21.1@181.215,81.864 182.194,81.864 184.458,79.6 v1(187.9,79.6)
FPGA_READY_LED: DD13.8 R148.1 | length 215.9
  Top w0.15: R148.1@8,122.65 8.05,122.6 v1(11.4,122.6) ; v1(27.8,65.1) 60.564,32.336 DD13.8@158.526,32.336
  L3 w0.15: v1(11.4,122.6) 18.1,122.6 23.735,116.965 23.735,102.407 24,102.142 24,68.9 v1(27.8,65.1)
FPGA_RST: DD5.13 DD6.B21 | length 118.7
  Top w0.1: DD6.B21@177,173 177.521,173.521 179.425,173.521 180.104,174.2 180.5,174.2
  Top w0.15: 180.5,174.2 192.766,174.2 194.5,172.466 194.5,167.198 193.3,165.998 v1(193.3,160) ; DD5.13@197.586,77.382 v1(199.46,77.382)
  L3 w0.15: v1(193.3,89.5) v1(193.3,160)
  Bot w0.15: v1(193.3,89.5) 199.46,83.34 v1(199.46,77.382)
FPGA_TCK_0: DD6.L8 X30.6 | length 74.9
  Top w0.1: v1(167.5,185.5) DD6.L8@168,186
  L3 w0.1: v1(167.5,185.5) 168.095,186.095 168.095,193.003 168.865,193.773 168.865,195.5
  L3 w0.15: X30.6@119.489,195.746 118.45,196.785 118.45,198.45 118.8,198.8 122.176,198.8 128.776,205.4 164.3,205.4 168.865,200.835 168.865,195.5
FPGA_TDI_0: DD6.R6 X30.10 | length 72.3
  Top w0.1: DD6.R6@164,188 v1@164.5,188.5
  L3 w0.1: v1(164.5,188.5) 164.9,188.1 166.666,188.1 166.905,188.339 166.905,194.053 166.4,194.558 166.4,195.5
  L3 w0.15: X30.10@119.489,191.746 122.4,194.657 122.4,197.751 129.148,204.5 163.927,204.5 166.4,202.027 166.4,195.5
FPGA_TDO_0: DD6.R7 X30.8 | length 71.5
  Top w0.1: DD6.R7@164,187 v1(164.5,187.5)
  L3 w0.1: v1(164.5,187.5) 164.9,187.9 166.748,187.9 167.105,188.256 167.105,194.453 166.7,194.858 166.7,195.5
  L3 w0.15: X30.8@119.489,193.746 121.5,195.757 121.5,197.276 129.024,204.8 164.051,204.8 166.7,202.151 166.7,195.5
FPGA_TMS_0: DD6.N8 X30.4 | length 70.5
  Top w0.1: v1(165.5,186.5) DD6.N8@166,186
  L3 w0.1: v1(165.5,186.5) 165.84,186.5 167.238,187.898 167.457,187.898 167.664,188.105 167.895,188.336 167.895,193.086 168.565,193.756 168.565,195.5
  L3 w0.15: X30.4@119.489,197.747 121.546,197.746 128.9,205.1 164.176,205.1 168.565,200.711 168.565,195.5
GBT_RX_N: DD6.R3 DD8.12 | length 143.3
  Top w0.1: 163.425,195.5 162.5,194.575 162.5,191.913 162.878,191.535 163.465,191.535 DD6.R3@164,191
  Top w0.2: 40.6,206.02 DD8.12@39.5,206.02 40.9,206.02 41.125,206.245 163.846,206.245 165.025,205.066 165.025,197.1 163.425,195.5
GBT_RX_P: DD6.R4 DD8.13 | length 143.3
  Top w0.1: 163.945,195.5 163.425,194.979 163.425,191.988 163.913,191.5 164.124,191.5 164.49,191.134 164.49,190.49 DD6.R4@164,190
  Top w0.2: DD8.13@39.5,206.82 40.6,206.82 40.9,206.82 41.125,206.595 163.991,206.595 165.375,205.211 165.375,196.929 163.945,195.5
GBT_TX_N: DD6.P1 DD8.19 | length 142.1
  Top w0.1: DD6.P1@165,193 165,195.475 165.025,195.5
  Top w0.2: DD8.19@39.5,211.62 40.6,211.62 40.85,211.37 160.206,211.37 166.095,205.481 166.095,196.57 165.025,195.5
GBT_TX_P: DD6.P2 DD8.18 | length 144.1
  Top w0.1: 164.552,195.5 164.552,192.448 DD6.P2@165,192
  Top w0.2: 164.552,195.5 164.675,195.623 164.675,195.645 165.745,196.715 165.745,205.336 160.061,211.02 40.8,211.02 ; 40.6,210.82 40.8,211.02 ; 40.6,210.82 DD8.18@39.5,210.82 40.6,210.82 ; 40.6,210.82 40.8,211.02